# Altium PCB MdFOC.PcbDoc (part 1 of 2)
Units mil, origin at the board's own origin, x right, y up, seen from the top; angles counter-clockwise.
Board outline 3228.34 x 2206.4 mil, 4 copper layers (Top Layer, GND, SIG, Bottom Layer), stack 62.674 mil thick; 181 components, 136 nets, 724 pads, 590 vias.
Unrouted connection lines stored in the file: 2.
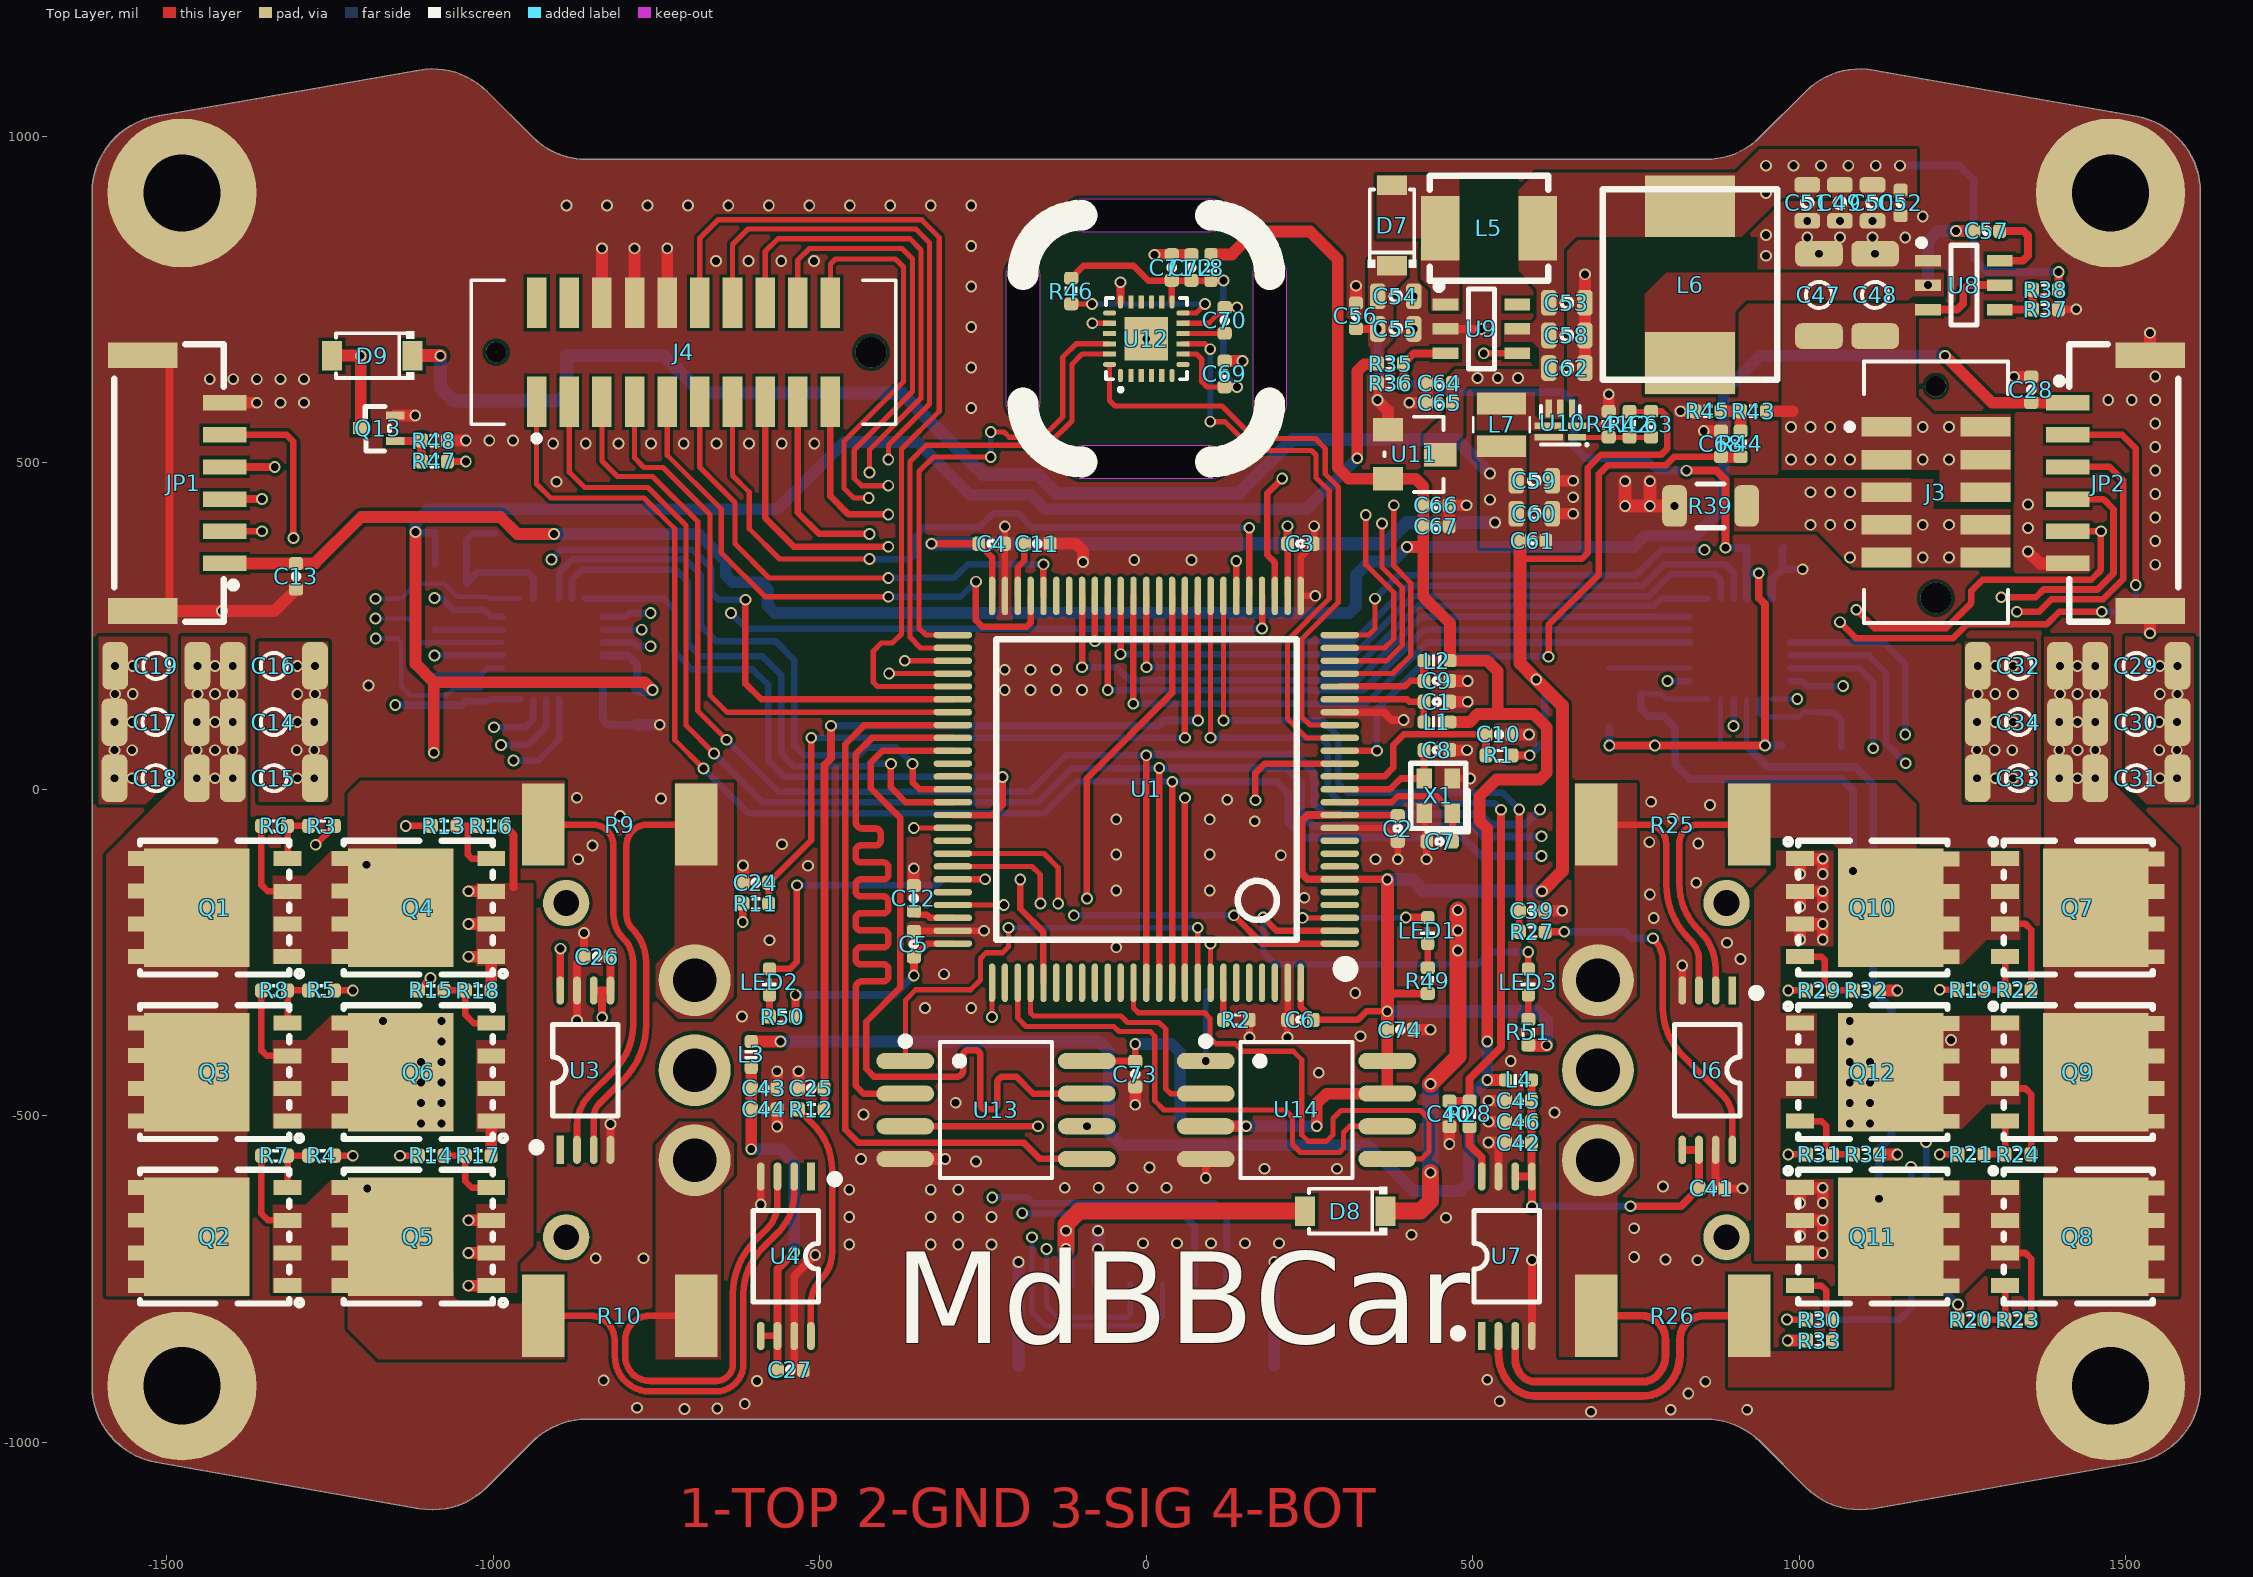
[diagram p0: Top Layer view]
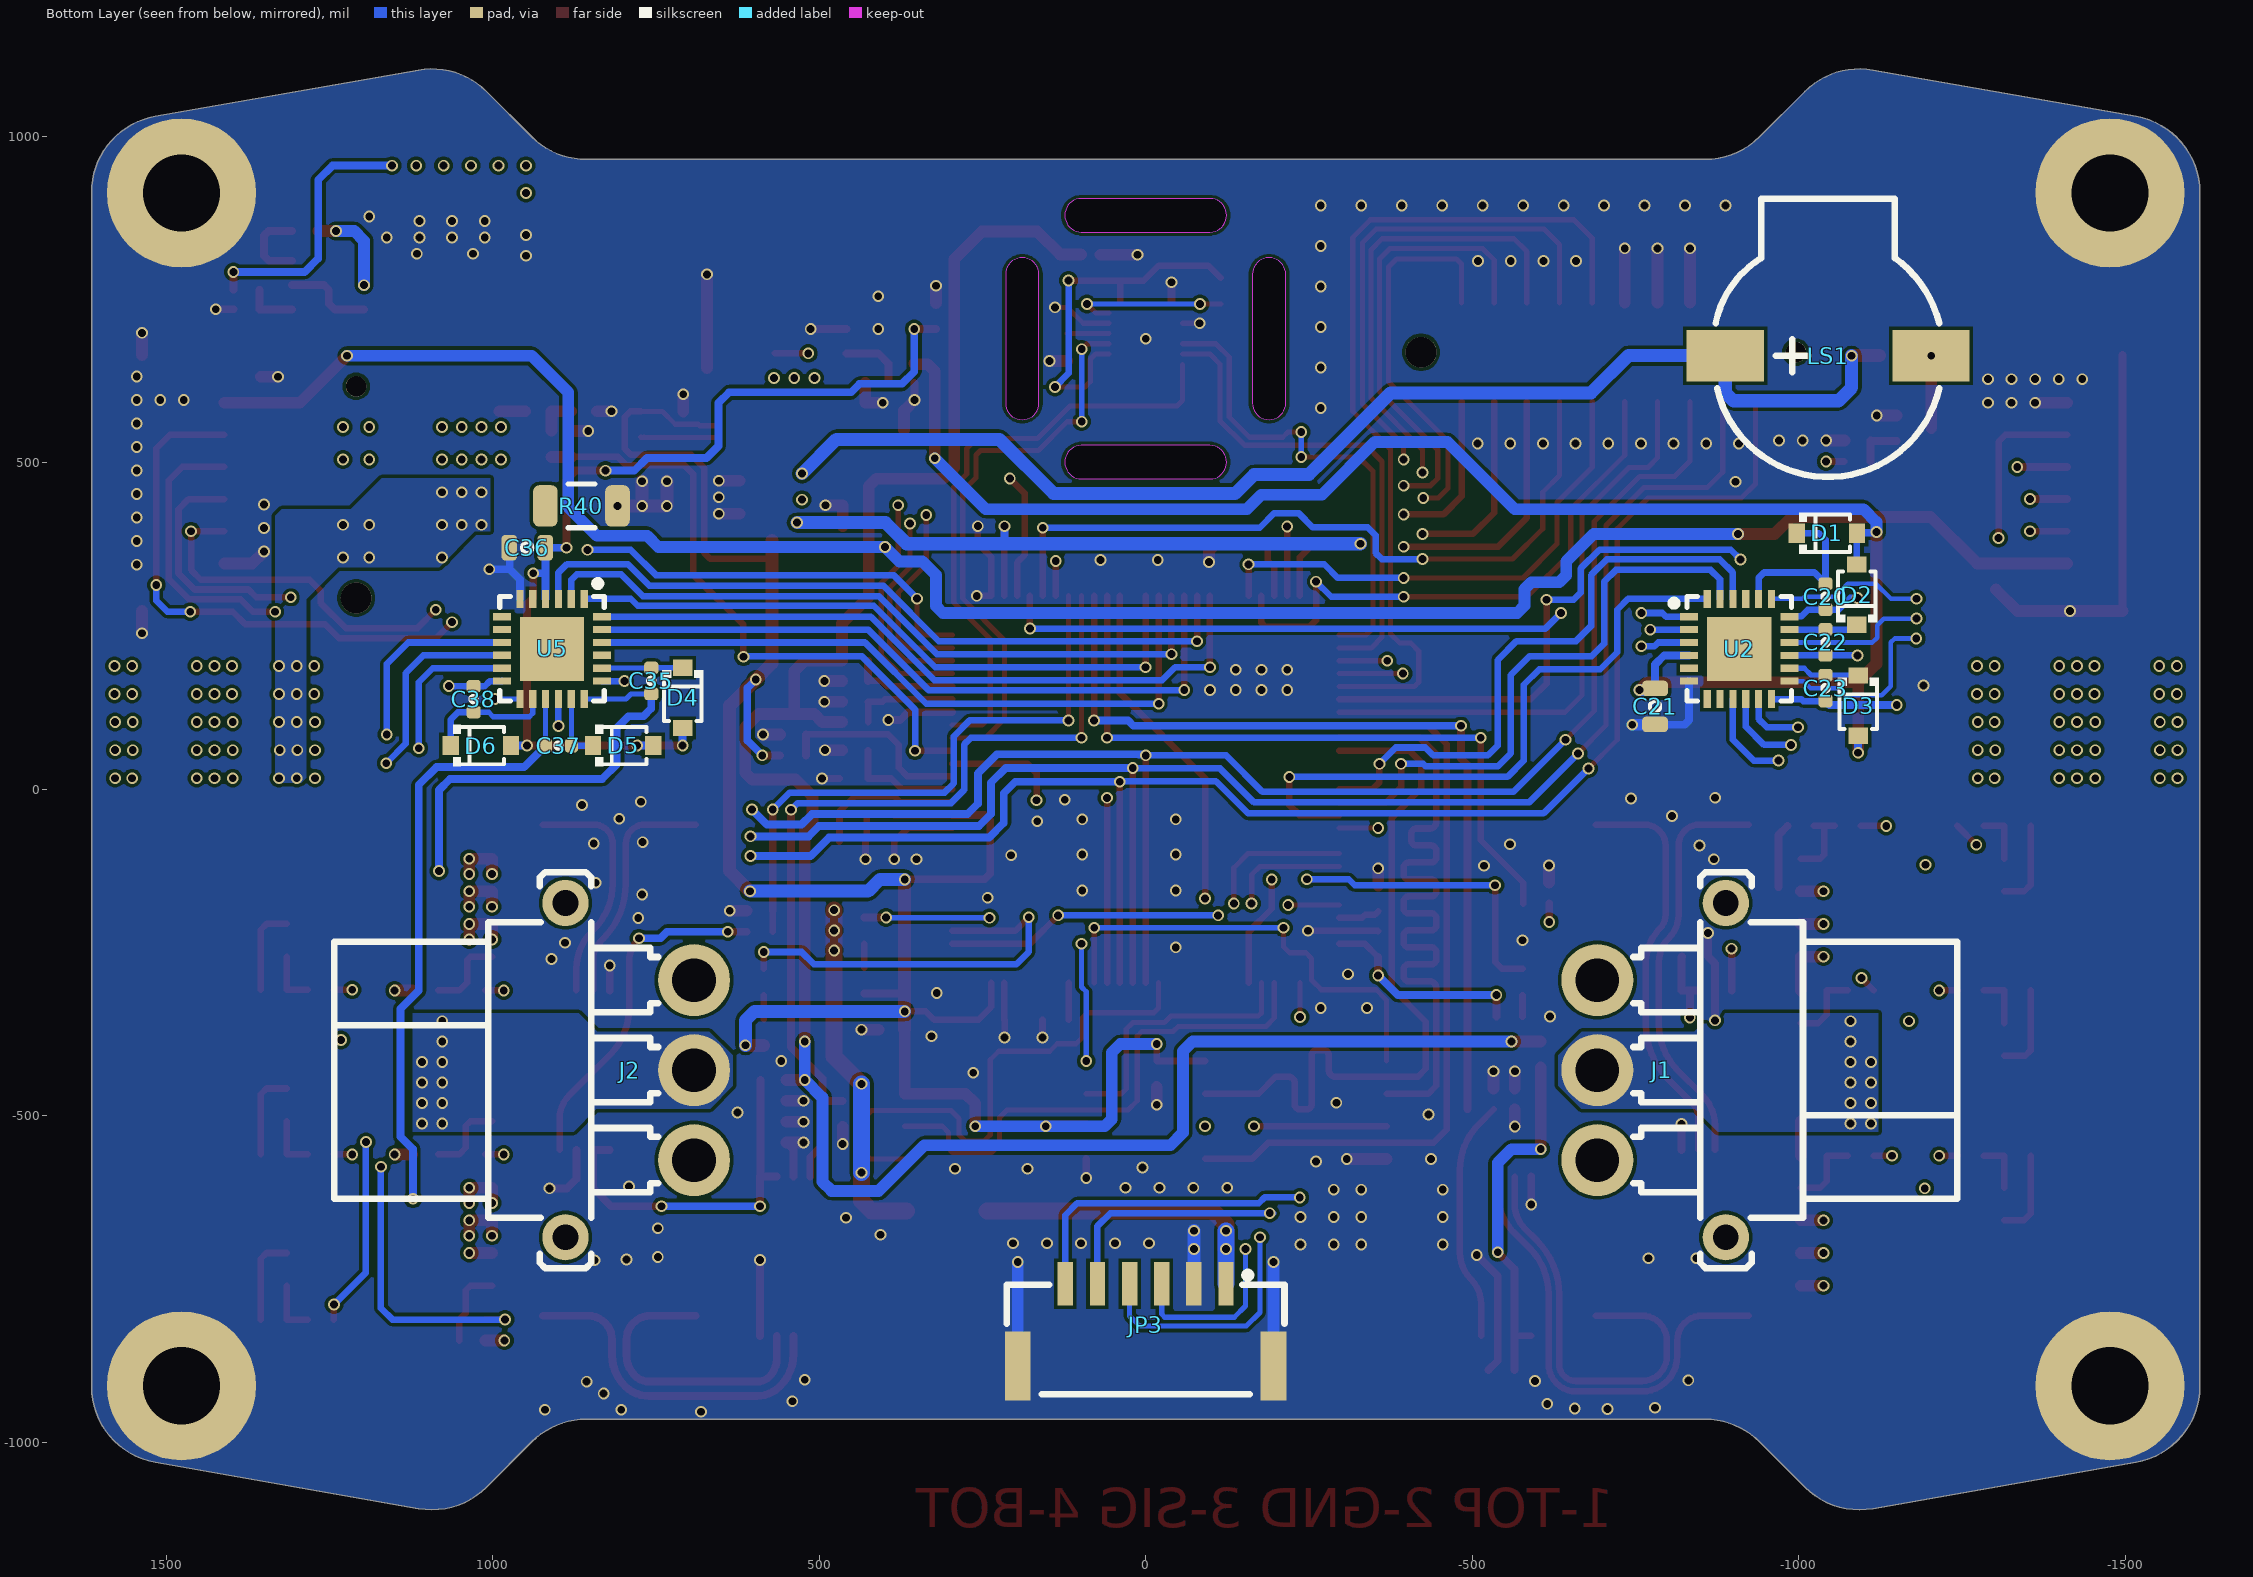
[diagram p1: Bottom Layer view, seen from below]
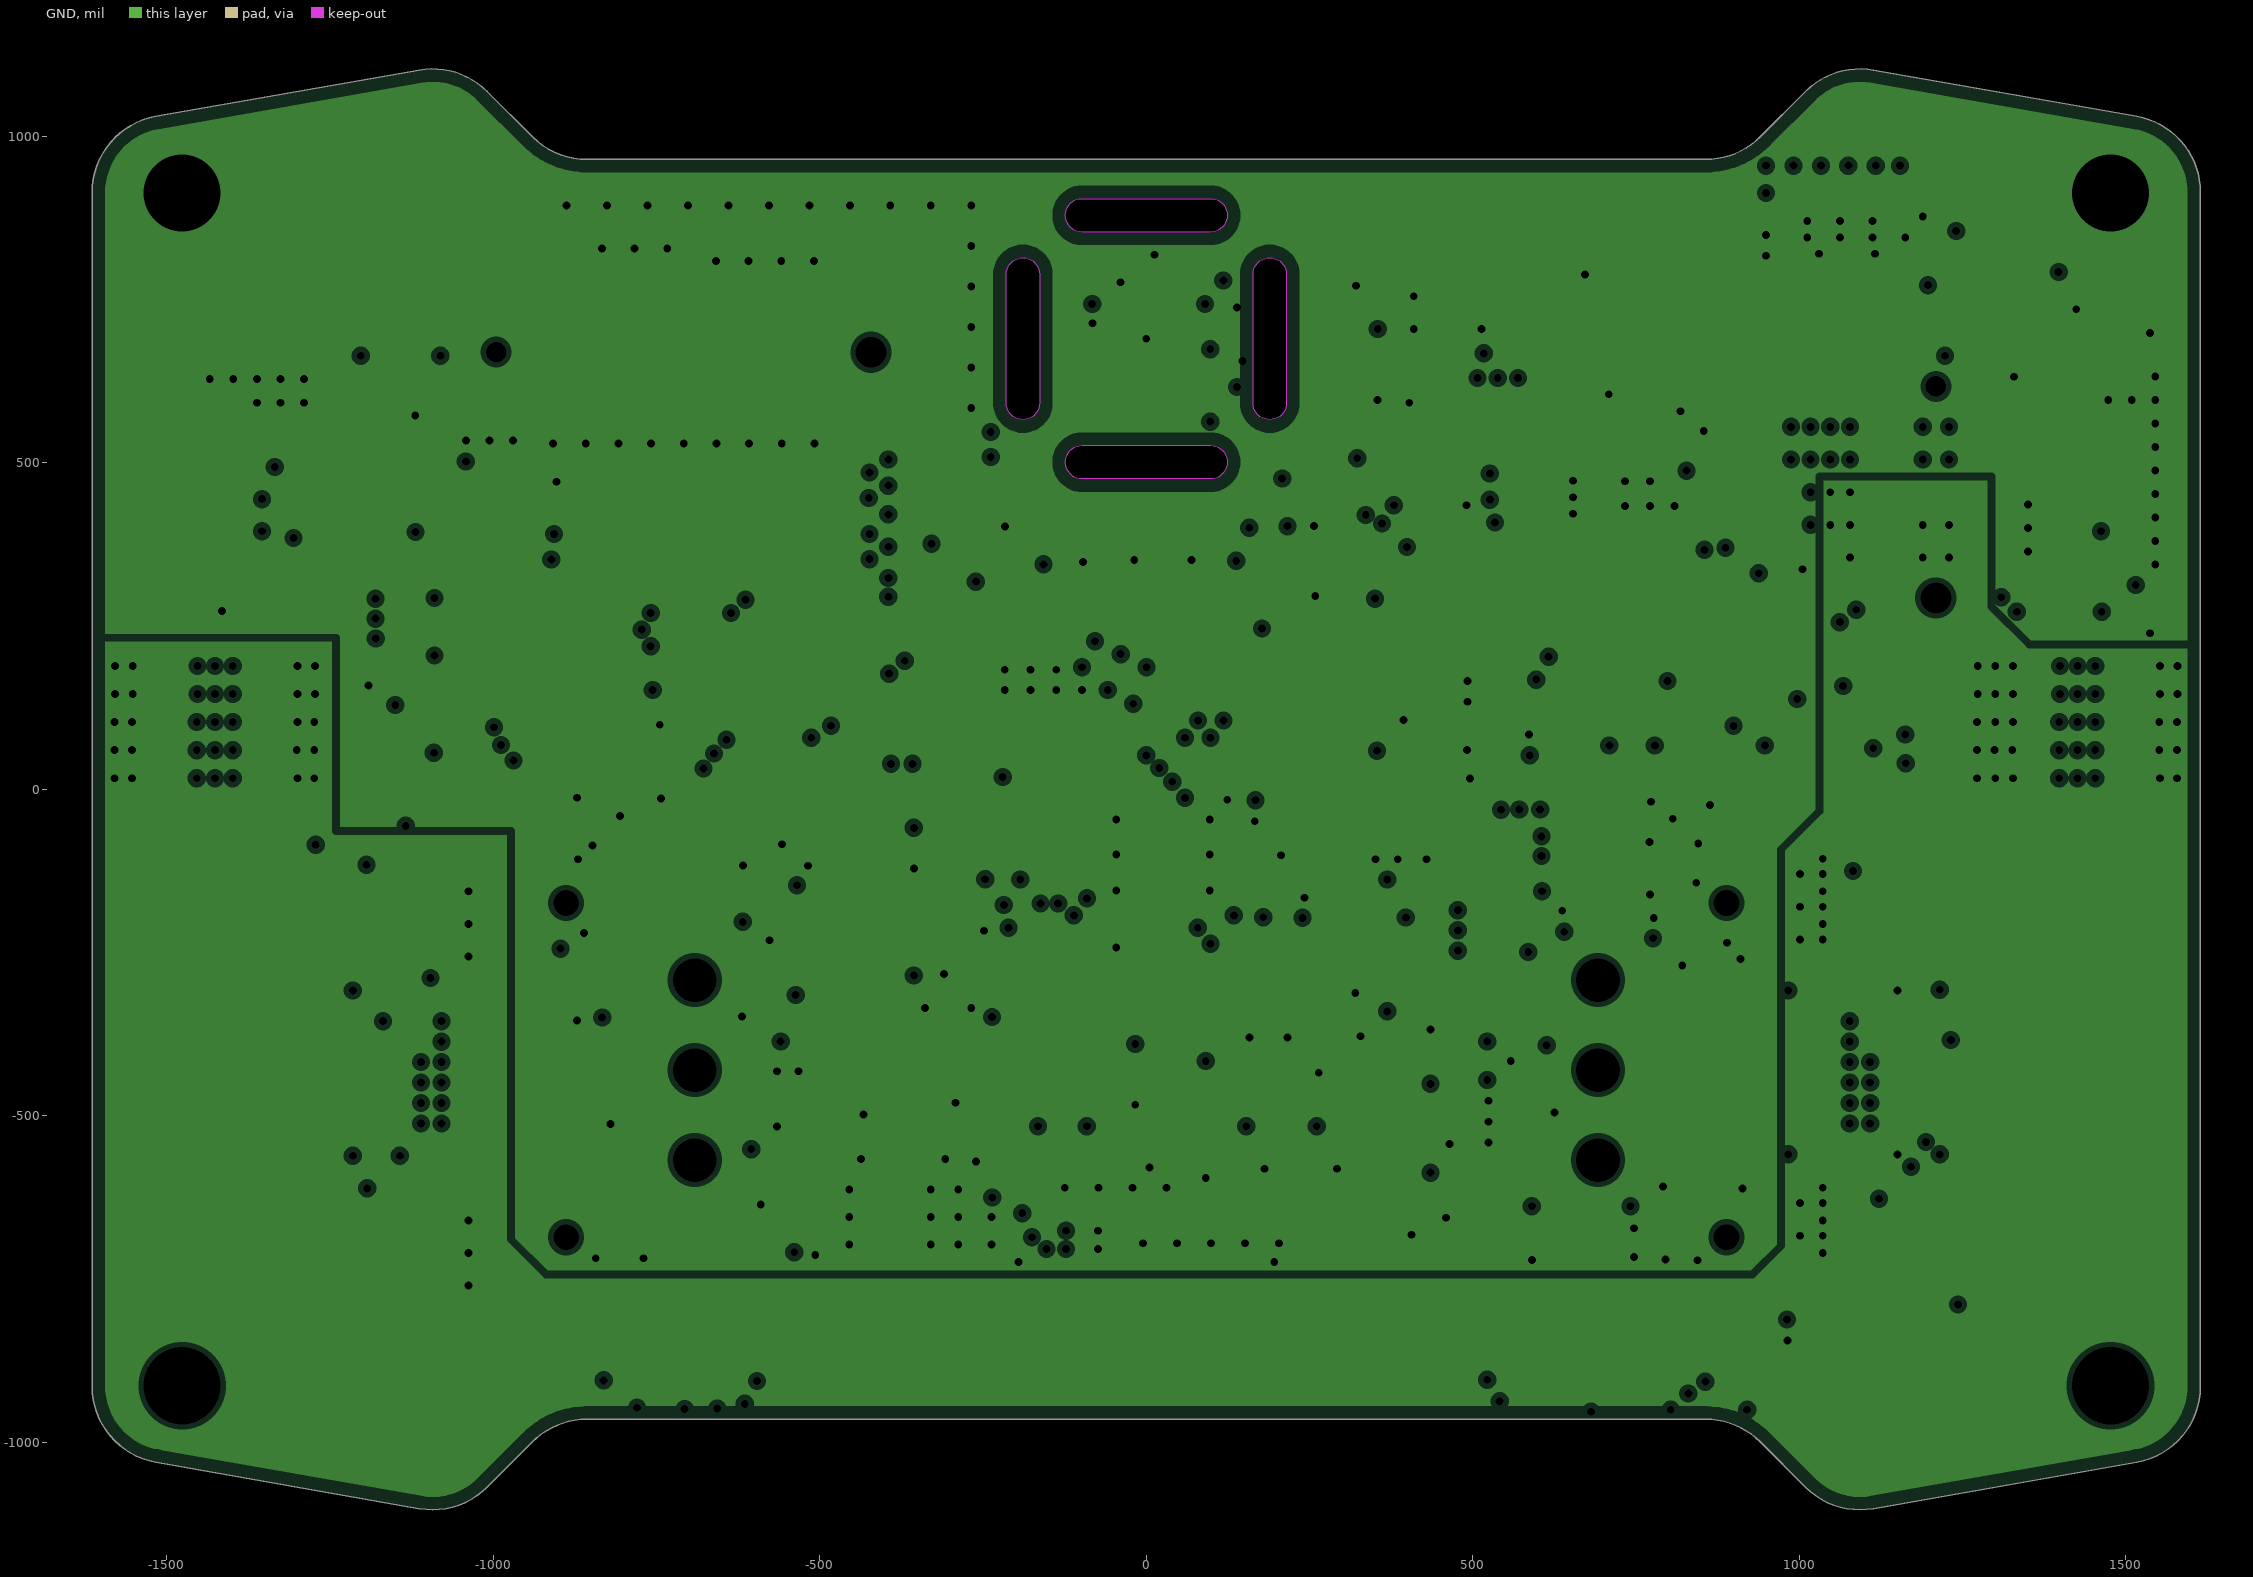
[diagram p2: GND, clearances drawn from the general rule]